# KiCad board reform2-motherboard25.kicad_pcb (continued)
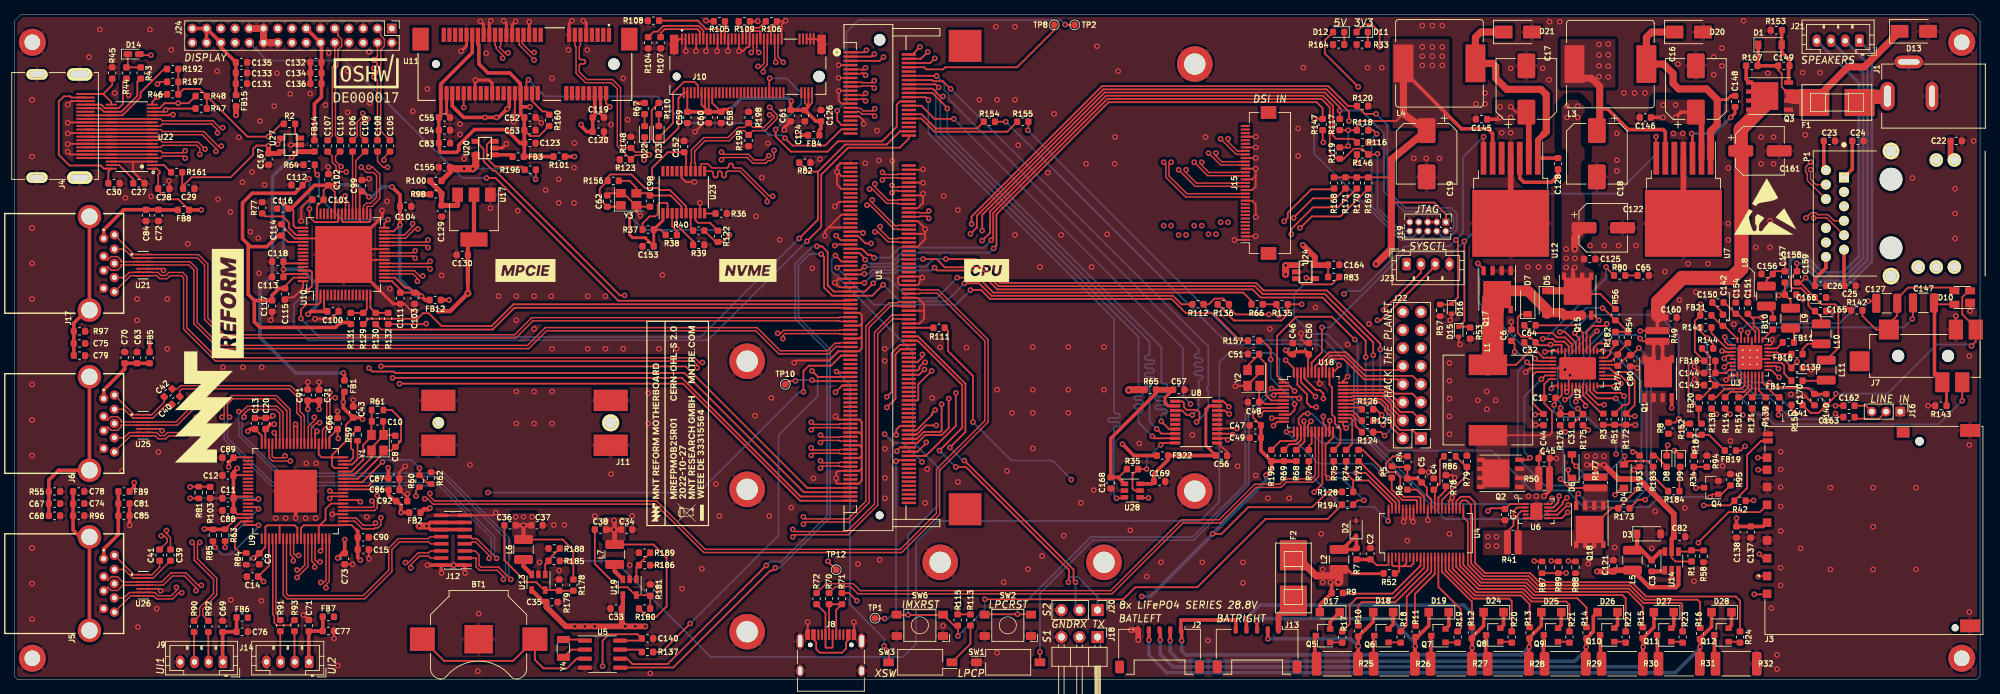
[diagram p0: board, top side]
## Nets (continued)
Net-(Q7-Pad1): Q7.1 R19.1
Net-(Q7-Pad3): Q7.3 R27.2
Net-(Q8-Pad1): Q8.1 R20.1
Net-(Q8-Pad3): Q8.3 R28.2
Net-(Q9-Pad1): Q9.1 R21.1
Net-(Q9-Pad3): Q9.3 R29.2
Net-(Q10-Pad1): Q10.1 R22.1
Net-(Q10-Pad3): Q10.3 R30.2
Net-(Q11-Pad1): Q11.1 R23.1
Net-(Q11-Pad3): Q11.3 R31.2
Net-(Q12-Pad1): Q12.1 R24.1
Net-(Q12-Pad3): Q12.3 R32.2
Net-(Q15-Pad4): Q15.4 U2.31
Net-(Q17-Pad4): Q17.4 U2.33
Net-(Q18-Pad1): Q18.1 Q18.2 Q18.3 R176.1 R177.2
Net-(Q18-Pad4): Q18.4 U2.21
Net-(R1-Pad1): R1.1 R58.1 U14.4
Net-(R2-Pad1): R2.1 U27.3
Net-(R3-Pad2): R3.2 U2.8
Net-(R4-Pad2): R4.2 U4.35
Net-(R5-Pad2): R5.2 U4.36
Net-(R6-Pad2): R6.2 U4.34
Net-(R8-Pad2): R8.2 U2.25
Net-(R9-Pad2): R9.2 U4.10
Net-(R10-Pad2): R10.2 U4.12
Net-(R11-Pad2): R11.2 U4.14
Net-(R12-Pad2): R12.2 U4.16
Net-(R13-Pad2): R13.2 U4.18
Net-(R14-Pad2): R14.2 U4.20
Net-(R15-Pad2): R15.2 U4.22
Net-(R16-Pad2): R16.2 U4.24
Net-(R17-Pad2): R17.2 U4.11
Net-(R18-Pad2): R18.2 U4.13
Net-(R19-Pad2): R19.2 U4.15
Net-(R20-Pad2): R20.2 U4.17
Net-(R21-Pad2): R21.2 U4.19
Net-(R22-Pad2): R22.2 U4.21
Net-(R23-Pad2): R23.2 U4.23
Net-(R24-Pad2): R24.2 U4.25
Net-(R34-Pad1): R34.1 R94.2 U2.9
Net-(R35-Pad2): R35.2 U8.10 U28.5
Net-(R36-Pad2): R36.2 U23.10
Net-(R37-Pad2): R37.2 U23.2
Net-(R38-Pad2): R38.2 U23.3
Net-(R39-Pad2): R39.2 U23.4
Net-(R40-Pad2): R40.2 U23.7
Net-(R51-Pad2): R51.2 U2.14
Net-(R52-Pad1): R52.1 U4.2 U4.4 U4.6 U4.8
Net-(R59-Pad1): R59.1 U9.78
Net-(R59-Pad2): R59.2 U9.79
Net-(R60-Pad2): R60.2 R62.1 U9.73
Net-(R63-Pad2): R63.2 U9.35
Net-(R64-Pad2): R64.2 U10.32
Net-(R77-Pad2): R77.2 U10.51
Net-(R78-Pad1): R78.1 U4.30
Net-(R79-Pad1): R79.1 R86.1 U4.29
Net-(R80-Pad2): R80.2 U2.28
Net-(R81-Pad1): R81.1 U9.33
Net-(R83-Pad1): R83.1 U24.3
Net-(R84-Pad1): R84.1 U9.39
Net-(R85-Pad2): R85.2 U9.40
Net-(R111-Pad2): R111.2 U1.118
Net-(R112-Pad2): R112.2 R136.2 U3.18
Net-(R113-Pad1): R113.1 SW3.1
Net-(R114-Pad2): R114.2 U3.12
Net-(R121-Pad2): R121.2 U3.14
Net-(R122-Pad2): R122.2 U23.8
Net-(R129-Pad1): R129.1 R131.1 U10.15
Net-(R130-Pad1): R130.1 R132.1 U10.16
Net-(R135-Pad2): R66.2 R135.2 U3.17
Net-(R137-Pad2): R137.2 U5.7
Net-(R138-Pad1): R138.1 U3.11
Net-(R139-Pad2): R139.2 U3.15
Net-(R141-Pad2): R141.2 U3.2
Net-(R150-Pad2): R150.2 U3.16
Net-(R151-Pad2): R151.2 U3.13
Net-(R154-Pad2): R154.2 U1.30
Net-(R155-Pad1): R155.1 U1.32
Net-(R160-Pad2): R160.2 U11.20
Net-(R161-Pad2): R161.2 U22.2
Net-(R174-Pad1): R54.1 R174.1 U2.18
Net-(R182-Pad1): R182.1 U2.19
Net-(R182-Pad2): R54.2 R56.2 R182.2 U2.26
Net-(R185-Pad2): R185.2 R188.1 U13.1
Net-(R186-Pad2): R186.2 R189.1 U19.1
Net-(R193-Pad2): R193.2 U2.11
Net-(R196-Pad1): R196.1 U20.3
Net-(TP1-Pad1): TP1.1 U1.180
Net-(TP2-Pad1): TP2.1 U1.35
Net-(TP8-Pad1): TP8.1 U1.8
Net-(TP10-Pad1): TP10.1 U1.143
Net-(TP12-Pad1): TP12.1 U1.174
Net-(U5-Pad1): U5.1 Y4.1
Net-(U5-Pad2): U5.2 Y4.2
Net-(U6-Pad4): U6.4
Net-(U6-Pad6): R88.2 U6.6
Net-(U6-Pad7): R89.1 U6.7
Net-(U6-Pad8): R87.1 U6.8

Pads without a net: J2 MP; J3 11; J4 14; J7 5; J8 A4 A5 A8 A9 B4 B5 B8 B9; J10 5 6 7 8 17 19 20 22 24 26 28 29 30 31 32 34 36 38 46 48 54 56 58 67 68 69; J11 5 6; J13 MP; J15 3 4 5 6 7 8 9 10 11 28 29 31 32 33 MP; J19 7; J24 1 15 16 24 25 30; U1 10 28 33 34 36 39 42 43 45 49 51 55 57 61 63 67 69 82 84 85 86 88 90 92 96 120 130 132 133 135 136 137 142 144 146 147 148 149 150 151 153 154 155 156 157 158 159 160 162 182 184 186 187 188 189 190 192 194 196 198 200 SH1 SH2; U2 15; U3 5 7 30; U4 3 5 7 9 28; U7 5; U8 4 5 6 15 16 17; U9 22 23 24 25 27 28 29 30 31 34 36 41; U10 4 5 6 7 8 9 10 11 12 13 14 44 45 46 47 50 54 55 56 57 58 60; U11 1 3 5 7 8 10 12 14 16 17 19 30 32 36 38 42 45 46 47 49 51 53 54; U12 5; U23 17 18 19 20

## Via types
v1: diameter 0.8, hole 0.4, Top to Bottom, 1079 vias

## Routing (per net, layer and track width the routed paths; a pad name or vN(x,y) marks a point on that pad's centre or on a via; arc(x,y) is an arc through that point)
1V2_PWR_EN: length 151.7
  Top w0.25: v1(77.78,16.7) R185.1 ; v1(179.77,40.57) 179.09,41.25 U18.2
  Bottom w0.25: v1(179.77,40.57) 177.62,42.71 177.62,45.03 176.75,45.9 170.45,45.9 169.2,44.65 169.2,25 166.5,22.3 129.6,22.3 126.6,19.3 126.6,5 124.8,3.2 97.8,3.2 84.3,16.7 v1(77.78,16.7)
3V3_PWR_AUX: length 71
  Top w0.5: v1(38.95,73.4) 39.75,74.2 U27.1 ; v1(46.2,43.1) 46.37,42.93 FB1.1
  Top w0.7: R98.2 v1(56.2,68.2) ; U27.1 42.14,74.2 FB14.1
  Power.Cu w0.7: v1(57.2,68.2) v1(56.2,68.2) 56.2,71.7 53.6,74.3 39.85,74.3 v1(38.95,73.4)
  Bottom w0.5: v1(46.2,43.1) 39.5,43.1 34.5,48.1 34.5,55 36.25,56.75 36.25,70.7 v1(38.95,73.4)
3V3_PWR_EN: length 73.3
  Top w0.25: 200.2,52.72 201.7,52.72 D16.1 202.7,53.72 202.7,61.5 v1(202.4,61.8) ; v1(206.3,76.3) 206.29,76.29 U12.7 ; v1(178.5,44.9) 179.65,43.75 U18.48
  Signal.Cu w0.25: v1(186.7,54.2) 176.8,54.2 174.3,51.7 174.3,49.1 v1(178.5,44.9)
  Bottom w0.25: v1(186.7,54.2) 187.1,54.6 189,54.6 195.3,60.9 201.5,60.9 v1(202.4,61.8) 203.4,62.8 203.4,73.4 v1(206.3,76.3)
5V_PWR_EN: length 83.4
  Top w0.25: v1(230.5,76.3) 230.5,73.31 U7.7 ; R53.2 204.29,49.6 D15.1 203.6,50.4 v1(203.6,61.6) ; v1(183.6,49.5) 183.6,46 182.15,44.55 U18.43
  Bottom w0.25: v1(230.5,76.3) 230.5,73.8 225,68.3 210.3,68.3 v1(203.6,61.6) 202.1,60.1 195.3,60.1 184.7,49.5 v1(183.6,49.5)
30V_GATE: length 75.9
  Top w0.25: v1(221,35.1) 220.91,35.1 R175.1 ; C17.1 210.85,79.75 v1(210.1,80.5) ; Q15.5 219.9,54.19 222.7,54.19 R56.1 ; U14.5 232.7,17.15 233.24,16.61 R1.2
  Top w0.5: Q15.5 220.13,55.22 Q15.6 ; Q15.5 218.87,55.22 Q15.7 218.87,57.69 v1(219.1,57.93) ; Q15.5 221.4,56.5 Q15.5 ; Q15.5 217.6,56.5 Q15.8 ; R177.1 v1(222,30.2) ; v1(222,30.2) v1(220.8,30.2) ; v1(222,30.2) v1(223.2,30.2) ; C146.2 v1(231.5,79) ; v1(233.25,79) 234,79.75 C16.1 ; C145.2 208.35,78.75 v1(208.6,79)
  Top w0.6: U14.5 232.7,19.79 C82.2
  Top w0.8: C82.2 233.01,23.29 228.1,28.2 225.2,28.2 v1(223.2,30.2) ; 236.89,78.96 U7.2 ; U12.2 212.64,79.41
  Top w0.9: 212.64,79.41 C17.1
  Top w1: v1(219.1,60.5) 219.1,62.2 C122.1 ; C16.1 236.89,78.96 ; 215.2,54.65 219.44,54.65 Q15.5
  vias: v1(208.6,80.5) v1(210.1,79) v1(217.9,60.5) v1(217.9,59.2) v1(217.9,57.93) v1(218,80.6) v1(218,79) v1(219.1,59.2) v1(219.5,80.6) v1(219.5,79) v1(220.8,31.4) v1(222,31.4) v1(223.2,31.4) v1(231.5,80.75) v1(233.25,80.75)
+1V2: length 68.4
  Top w0.25: R178.1 78.5,18.2 77,19.7 L6.2
  Top w0.5: v1(61.05,53.35) FB12.1
  Top w0.6: FB2.1 57.49,23.95 58.18,23.95 v1(58.36,24.13) ; v1(71.5,21.7) L6.2 ; v1(71.5,21.7) C36.1 ; v1(71.5,21.7) C37.1
  Power.Cu w0.6: v1(61.05,53.35) 61.05,53.05 62.3,51.8
  Power.Cu w1: 71.5,24.3 71.5,28.7 64.7,35.5 64.7,49.4 62.3,51.8 ; 71.5,24.3 70.9,24.9 59.13,24.9 v1(58.36,24.13) ; 71.5,24.3 v1(71.5,21.7)
  vias: v1(70.4,22.9) v1(71.5,22.9) v1(72.7,22.9)
+1V5: length 124.7
  Top w0.25: R180.1 88.91,8.8 90.1,8.8 91.6,10.3 91.6,17.15 89.75,19 L7.2
  Top w0.5: U11.48 61.5,80.6 63.1,79 v1(66.1,79) v1(67.7,79) 68,79 v1(69.2,80.2) 69.5,80.5 U11.28 ; U11.6 81.5,79.29 C119.1 C120.1 80.4,77 79.6,77.8 v1(79.6,78)
  Top w0.6: v1(84.2,21.1) C38.1 ; v1(84.2,21.1) 84.3,21 L7.2 84.3,22.1 84.2,22.2 ; v1(84.2,21.1) C34.1
  Power.Cu w0.5: v1(69.2,80.2) 69.77,80.2 70.47,79.5 78.1,79.5 v1(79.6,78)
  Power.Cu w1: v1(67.7,79) 67.1,78.4 66.7,78.4 ; 66.7,78.4 v1(66.1,79) ; 66.7,78.4 66.7,74 78,62.7 78,28.6 v1(84.2,22.4)
  vias: v1(83.1,22.4) v1(85.3,22.4)
+1V8: length 243.6
  Top w0.25: U10.42 45.5,64.45 45.35,64.3 42.16,64.3 41.45,65.01 v1(41.45,66.15) ; C112.1 41.39,70.4 v1(41.4,70.4) ; U10.53 38.41,61.5 C114.1 ; R132.2 57.76,49.96 v1(57.84,50.04) ; U10.63 39.21,56.5 38,55.29
  Top w0.5: C115.1 37.19,54.99 36.2,54 C117.1 33.71,53.29 ; 32.85,61.15 33.15,60.85 35.46,60.85 37.03,62.41 C114.1 ; 32.85,61.15 32.85,54.15 33.71,53.29 ; 32.85,61.15 32.05,61.95 32.05,67 33.4,68.35 39.4,68.35 40.49,69.44 C112.1 ; 63.69,55.89 v1(63.69,54.29) ; 33.71,53.29 33.71,50.29 34.5,49.5 45.1,49.5 v1(45.8,50.2) 47.01,50.2 R131.2
  Top w0.6: U17.2 U17.2 63.69,60.99 C130.1 63.69,55.89 ; v1(63.69,54.29) 61.2,51.8 v1(59.6,51.8)
  Top w1: R65.2 156.55,40.75 v1(156.45,40.65)
  Power.Cu w0.6: v1(45.8,50.2) 57.67,50.2 v1(57.84,50.04) v1(59.6,51.8)
  Power.Cu w1: v1(63.69,54.29) 66.7,51.28 66.7,36.45 79.3,23.85 79.3,19.5 84.4,14.4 92.3,14.4 96.6,18.7 123.75,18.7 127.55,22.5 137.85,22.5 156,40.65 v1(156.45,40.65)
  Bottom w0.25: v1(41.45,66.15) 41.45,70.35 v1(41.4,70.4)
+3V3: length 633.3
  Top w0.25: J19.1 201,65.4 199.35,67.05 193.35,67.05 ; R168.1 R169.2 193.29,70.59 193.35,70.65 ; v1(191.7,88.9) 191.7,91 190.6,92.1 189.56,92.1 D11.2 ; v1(187.3,75) 187.09,74.79 R119.1 ; R117.1 187.29,77.21 v1(187.3,77.2) R118.1 188.51,78.01 189,78.5 194.05,78.5 195.05,79.5 ; v1(73.2,70.3) 73.24,70.34 R196.2 ; R2.2 37.5,78.1 v1(35.7,76.3) 32.74,76.3 R48.2 ; R136.1 171.24,50.47 177.9,50.47 178.79,51.36 R135.1 v1(180.75,52.75) ; R113.2 R115.1 132.45,10.45 v1(132.6,10.6) ; v1(35.7,75.05) 34,75.05 33.55,74.6 33.55,73.75 30.4,70.6 24.9,70.6 23.71,69.41 C29.1 23.59,69.12 R161.1 ; R48.2 26.04,83 23.79,83 R46.2 R197.2 R192.1 ; R48.2 R47.2 ; R187.1 236.5,36.39 FB20.1 235.07,39.54 235.07,44.25 235.63,44.8 FB18.1 235.95,46.11 235.95,50.44 FB21.1
  Top w0.5: L4.2 195.05,85.55 203.2,77.4 206.9,77.4 207.56,76.74 U12.6 ; FB21.1 236.75,51.24 v1(236.75,52.75) ; FB22.1 157.2,31.5 v1(155.6,33.1) ; FB4.1 v1(110.1,76.5)
  Top w0.7: C155.1 61.19,71.3 R100.2 ; v1(35.7,75.05) C167.1 37.24,73.94 U27.5 37.45,74.15
  Top w0.8: P1.14 271.86,73.55 C22.1
  Top w1: L4.2 195.05,79.5 C19.1 193.35,73.1 193.35,60.55 v1(191.2,58.4) ; U20.5 64.8,72.2 v1(64.4,71.8) v1(63.15,71.8) 61.39,71.8 C155.1
  Power.Cu w0.5: v1(110.1,76.5) 114.7,81.1 114.7,91 113.8,91.9 ; P1.16 269.85,55.75 263.3,49.2 249.8,49.2 246,53 237,53 v1(236.75,52.75)
  Power.Cu w1: v1(64.4,71.8) v1(63.15,71.8) 61.6,71.8 ; v1(200.5,88.9) 202.7,91.1 242.9,91.1 256.3,77.7 268.8,77.7 272.39,74.11 P1.14 272.4,73.01 272.4,70.8 269.75,68.15 269.75,58.08 P1.16 ; v1(132.6,10.6) 133.1,10.6 v1(155.6,33.1) 175.25,52.75 v1(180.75,52.75) 183.85,55.85 185.35,55.85 187.2,57.7 190.5,57.7 191.25,58.45 ; v1(35.7,75.05) v1(35.7,76.3) 35.75,76.35 51.65,76.35 53.5,78.2
  Power.Cu w1.5: 53.4,77.5 54.4,77.5 60.1,71.8 61.6,71.8
  Power.Cu w2: v1(200.5,88.9) v1(191.7,88.9) 176.7,88.9 169.9,82.1 153.3,82.1 145.6,89.8 131.9,89.8 129.5,92.2 114.1,92.2 113.8,91.9 112.4,91.9 110.7,90.2 58.1,90.2 53.2,85.3 53.2,78 53.4,77.8
  Bottom w0.25: v1(64.4,71.8) 71.7,71.8 v1(73.2,70.3) ; v1(187.3,77.2) v1(187.3,75)
  vias: v1(197.7,88.9) v1(197.7,87.6) v1(197.7,86.3) v1(199.1,88.9) v1(199.1,87.6) v1(199.1,86.3) v1(200.5,87.6) v1(200.5,86.3)
+5V: length 345.2
  Top w0.25: U1.4 127.3,87.25 v1(128.25,88.2) ; v1(122.05,87.5) 121.5,86.95 U1.5 ; v1(127.15,88.9) 126.1,87.85 U1.2 126.43,87.85 ; U1.3 120.4,87.55 v1(120.75,87.9) ; U1.1 119.35,88.15 v1(119.65,88.45) ; R83.2 C164.1 ; v1(188.7,83.3) 184,88 184,89.84 D12.2 ; v1(129.25,87.3) 128.6,86.65 U1.6
  Top w0.5: U7.6 231.81,76.99 231.5,77.3 226.6,77.3 223.7,80.2 222.6,80.2
  Top w0.6: U13.4 74.35,10.9 C35.1 ; U19.4 85.45,10.16 C33.1
  Top w0.8: v1(180.9,61.1) 182.6,59.4 U24.5 184.41,58.25 C164.1 ; C35.1 74.71,10.24 77.45,7.5 v1(78.7,7.5) v1(80.1,7.5) v1(81.5,7.5) v1(85.8,7.5) ; v1(85.8,7.5) v1(87.2,7.5) v1(88.6,7.5) ; v1(85.8,7.5) 85.29,8.01 C33.1
  Top w1: C18.1 222.6,77.55 222.6,83.35 221.45,84.5 219.05,84.5
  Power.Cu w1: v1(78.7,7.5) v1(85.8,7.5) v1(88.6,7.5) 91.8,7.5 98.94,14.64 122.49,14.64 128.15,20.3 138.43,20.3 174.7,56.57 174.7,59.5 175.7,60.5 180.3,60.5 v1(180.9,61.1) ; v1(119.65,88.45) 120.2,87.9 v1(120.75,87.9) 121.15,87.5 v1(122.05,87.5) 123.45,88.9 v1(127.15,88.9) 127.85,88.2 v1(128.25,88.2) 129.15,87.3 v1(129.25,87.3)
  Power.Cu w1.5: 177,78.7 177,72.2 182.32,66.88 182.32,62.52 v1(180.9,61.1)
  Power.Cu w2: v1(128.25,88.2) 129.85,86.6 144.27,86.6 152.17,78.7 177.1,78.7 181.7,83.3 v1(188.7,83.3) 203.1,83.3 207.55,87.75 v1(222.5,87.75)
  vias: v1(222.5,89.25) v1(222.5,86.25) v1(222.5,84.75) v1(223.8,89.3) v1(223.8,87.8) v1(223.8,86.2) v1(223.8,84.7)
/Reform 2 Power/24V_IN: length 4
  Top w2: J1.1 262.9,81.9 259.09,81.9
/Reform 2 Power/VIN: length 125.5
  Top w0.25: Q3.8 243.86,80.09 245.76,82 Q3.5 ; R49.2 228.35,49.05 v1(228.3,49) ; Q3.7 245.12,81.37 Q3.5 ; Q3.5 245.76,82 243.86,83.91 Q3.5 ; Q3.5 245.12,82.63 Q3.6 ; v1(213.55,37.25) 213.64,37.34 C44.2 213.2,38.84 213.2,42.8 213.65,43.25 U2.36 ; R34.2 v1(235.8,32.5) ; U2.7 219.75,39.6 220.6,38.75 v1(220.6,38.5)
  Top w0.5: R167.1 243.16,84.4 Q3.5 ; R49.2 230.7,51.1 230.8,51.2 231.1,50.9 C160.1
  Top w2: Q3.5 245.76,80.7 242.4,77.34 C161.1 242.5,74.2 242.5,57.8 241.15,56.45 234.15,56.45 230.8,53.1 230.8,51.2
  Signal.Cu w0.25: v1(220.6,38.5) 220.6,39.35 221,39.75 223.4,39.75 224.55,38.6 228.8,38.6 229.8,37.6 229.8,34.25 232.7,31.35 234.65,31.35 v1(235.8,32.5)
  Power.Cu w0.25: v1(213.55,37.25) 219.8,37.25 220.6,38.05 v1(220.6,38.5) ; v1(235.8,32.5) 235.4,32.5 231.4,36.5 231.4,47.95 230.35,49 v1(228.3,49)
GND: length 524.2
  Top w0.25: U1.59 115.85,67.15 v1(115.2,66.5) ; U22.5 U22.34 J4.2 7.9,73.8 v1(7.5,74.2) ; v1(216.5,31.1) C45.1 215.55,31.06 R50.1 ; U1.53 116.15,68.95 115.51,69.59 v1(115.51,71.39) ; 16.7,72.8 16.7,71.34 C27.1 ; 16.7,72.8 U22.3 ; 16.7,72.8 U22.36 ; U1.110 127.75,51.85 ; 127.75,51.85 127.75,50.7 127.1,50.05 U1.116 ; 127.75,51.85 127.75,52.75 126.85,53.65 U1.104 ; J10.S1 93.43,90.03 J10.1 ; U1.68 126.85,64.45 127.9,63.4 v1(127.9,63.3) 127.9,62.7 ; J15.12 173.8,67.3 174.3,66.8 v1(174.3,65) ; C165.2 255.2,51.8 v1(255.3,51.7) ; R193.1 227.81,29.91 v1(227.4,29.5) ; C71.2 40.64,9.1 v1(40.6,9.1) ; 119,29.7 119,31.5 ; 119,29.7 119,28 118.55,27.55 U1.191 115.55,27.55 115.4,27.7 v1(115.4,28.3) 115.4,29.1 115.65,29.35 U1.185 118.65,29.35 119,29.7 ; 119,31.5 118.65,31.15 U1.179 ; 119,31.5 119,32.6 ; v1(20.55,12.5) 20.27,12.78 U26.10 U26.5 ; J10.45 104.75,91.05 104.65,91.15 103.36,91.15 103.25,91.04 J10.39 103.25,89.25 103.23,89.23 103.23,88.99 103.16,88.92 102.92,88.92 102.32,88.32 101.82,88.32 101.75,88.25 J10.33 ; U1.74 127.85,62.65 127.9,62.7 ; 174.3,71 174.3,69.3 173.8,68.8 J15.15 ; C56.2 170.29,31.98 168.99,33.28 U8.11 ; v1(97.1,88.3) 97.25,88.45 J10.15 ; v1(210.2,50.3) C6.1 ; C62.2 83.56,68.35 Y3.4 85.55,68.35 87.25,66.65 Y3.2 ; v1(94.3,88.3) 94.25,88.35 J10.3 ; C143.2 236.7,41.4 v1(235.9,42.2) ; U11.26 70.3,78.6 v1(70.1,78.4) ; v1(95.7,88.3) 95.75,88.35 J10.9 ; C44.1 213.64,35.76 v1(213.6,35.8) ; U25.5 U25.10 20.5,35.25 v1(20.75,35) ; 127.9,62.7 127.9,61.9 126.85,60.85 U1.80 ; 217.75,44.95 U2.29 ; U1.111 118.65,51.55 119,51.2 119,50.1 ; v1(21.7,70.1) 21.79,70.01 C28.1 ; U4.33 v1(198.45,22.4) ; J15.27 v1(174.3,74.8) ; U1.71 114.35,63.55 ; 114.35,63.55 113.8,63 v1(113.8,62.4) ; 114.35,63.55 116.15,65.35 U1.65 ; J10.71 J10.73 J10.75 112.57,90.03 J10.S2 ; v1(268.7,38.5) R143.2 ; J4.17 8,81.3 v1(7.5,80.8) ; C102.2 v1(44.1,72.05) ; U1.50 127.55,69.85 v1(127.6,69.8) ; v1(40.3,64.45) 40.3,66.33 41.42,67.45 C101.2 ; U10.64 40.55,55.05 39.21,53.71 38,53.71 ; v1(96.25,67) 96.28,66.97 U23.9 ; 119,34.2 119,32.6 ; 119,34.2 119,34.4 118.65,34.75 U1.167 ; 119,34.2 119,36.2 118.65,36.55 U1.161 115.75,36.55 v1(115.3,37) ; 119,32.6 118.65,32.95 U1.173 ; C111.2 54.79,52.81 v1(56.05,51.55) ; v1(98.7,88.3) 98.75,88.35 J10.21 ; U10.65 47,60.5 U10.26 ; U10.65 44,62 U10.52 39.38,62 37.96,63.42 37.96,63.53 C114.2 ; U10.65 46.25,59.35 42.5,55.6 U10.1 ; U10.65 47,59 U10.23 ; v1(201.6,50.5) 201.8,50.7 D16.2 ; 119,48.3 119,46.59 118.56,46.15 U1.129 115.71,46.15 114.41,44.85 109.8,44.85 v1(109.5,44.55) ; 119,48.3 119,50.1 ; 119,48.3 118.65,47.95 U1.123 ; v1(127.6,71.7) 127.55,71.65 U1.44 ; v1(87.9,65.2) 87.35,65.75 Y3.2 ; v1(47.6,39.3) 47.6,38.39 C43.2 ; v1(36.3,37.1) 35.97,36.78 C20.2 C13.2 ; U22.11 U22.28 13.62,76.78 13.6,76.8 J4.8 7.55,76.8 v1(7.5,76.75) ; v1(44.65,23.25) U9.64 ; Y3.2 87.54,66.46 C98.2 ; J10.51 106.25,91.66 R106.2 108.2,92.5 v1(108.3,92.6) 107.75,92.05 J10.57 ; v1(251.1,53.5) 250.5,54.1 C158.2 ; U1.99 115.85,55.15 v1(115.2,55.8) 115.75,56.35 U1.95 ; v1(115.51,71.39) 116.15,70.75 U1.47 ; v1(115.51,71.39) 115.51,72.11 115.95,72.55 U1.41 ; v1(44.9,5.8) 44.89,5.81 C77.2 ; v1(45.4,37.7) C66.2 ; v1(235.9,44) 236.8,43.1 C144.1 ; v1(55.2,26.1) 55.28,26.03 55.28,25.1 55.28,25.5 C86.2 54.08,26.7 C87.2 54.08,29.17 v1(54.9,30) ; U6.5 213.7,23.5 212.9,22.7 U6.5 ; v1(202.25,28.4) 201.91,28.74 R78.2 ; U22.8 U22.31 J4.5 7.55,75.3 v1(7.5,75.25) ; U1.25 116.15,80.95 115.75,81.35 v1(115.75,82.75) U1.19 ; v1(246.8,47.8) 246.8,47.2 246.65,47.05 U3.24 ; U22.14 U22.25 J4.11 7.55,78.3 v1(7.5,78.25) ; U4.38 195.95,22.65 v1(196.4,22.2) 196.45,22.25 U4.37 ; C73.2 47.47,16.22 v1(47.5,16.2) ; C80.1 227.64,44.01 v1(227.85,43.8) ; v1(203,47.1) 202.8,47.3 D15.2 ; C117.2 36.2,50.7 v1(36,50.5) ; R105.2 97.2,92.5 v1(97.1,92.6) ; J15.30 v1(174.3,76.3) ; U4.39 195.45,22.65 195.05,22.25 v1(195.05,22.2) 194.95,22.3 U4.40 ; R3.1 R51.1 R172.2 227.59,35.81 v1(227.6,35.8) ; Y2.2 174.85,43.1 173.15,41.4 Y2.4 171.5,41.3 v1(171.45,41.25) ; U3.9 241.06,42.86 v1(240.35,42.15) ; C142.2 239.9,51.51 C150.2 ; J10.27 100.25,88.35 v1(100.2,88.3) ; v1(49.8,70.4) 49.59,70.19 C99.2 ; 104.3,92.6 104.2,92.5 R109.2 ; C60.2 96.81,78.21 v1(95.6,77) ; U2.3 217.75,40.65 v1(217.97,40.42) 218.25,40.7 U2.4 218.25,42.5 U2.39 U2.35 212.75,43.75 v1(212.2,43.2) ; v1(119.25,78.1) 119.25,78.55 118.65,79.15 U1.31 ; U1.13 v1(115.75,84.55) ; U1.56 127.35,68.05 v1(127.6,68.3) 127.6,67 126.85,66.25 U1.62 ; R142.2 257.61,52.2 v1(257,52.2) ; v1(20.95,57.5) 20.7,57.75 U21.10 U21.5 ; U3.20 243.95,45.05 U3.33 243.95,45.55 U3.28 ; U4.27 201.45,25.15 v1(201.9,25.6) 201.95,25.55 U4.26 ; 117.9,6.14 v1(117.9,8.1) ; v1(274.6,51.8) D10.1 ; v1(180.38,39.53) 180.15,39.75 U18.5 ; U18.41 183.15,41.75 v1(183.3,41.6) ; C91.2 v1(41.2,41.8) ; v1(272.6,51.1) J7.4 ; v1(74,78.25) 73.25,79 C52.2 ; 119,50.1 118.65,49.75 U1.117 ; J15.1 v1(171.3,61.8) ; v1(198.55,29.15) 198.41,29.29 C5.2 ; v1(67.6,23.5) 67.2,23.1 J12.15 J12.16 ; U23.16 93.68,70.56 94.31,69.92 v1(95.5,69.92) ; v1(180.68,48.67) 180.68,47.88 181.28,47.29 C50.2 ; 254.35,53.7 C166.2 ; v1(42.22,50.72) 44.51,50.72 C100.2 ; v1(251.15,39.85) 251.46,39.85 C170.2 ; J19.3 J19.5 ; 111.4,6.14 v1(111.4,8.1) ; J15.21 v1(174.3,71.8) 174.3,70.8 173.8,70.3 J15.18 ; v1(49.8,17) 49.78,17.03 C15.2 ; C21.2 v1(42.8,41.8) ; J15.24 v1(174.3,73.3) ; J15.2 v1(174.3,62.3) ; U1.7 v1(115.75,86.35) ; 124.35,56.65 124.1,56.4 124.1,55.7 124.35,55.45 U1.98 126.85,55.45 127.1,55.7 127.1,56.1 v1(127.5,56.5) 127.35,56.65 U1.94 124.35,56.65
  Top w0.4: v1(51.65,65.93) 51.65,65.05 46.35,59.75 U10.65 53.19,52.81 C111.2 ; U11.37 65.9,92.05 v1(65.45,92.5) ; U11.34 67.1,83.8 66.65,84.25 v1(64.75,84.25) 64.7,84.2 U11.40 ; v1(78.3,92.6) 77.9,92.2 U11.15 ; C120.2 v1(82.79,75.89) ; v1(66.9,92.6) 66.7,92.4 U11.35 ; C55.2 60.7,79.49 U11.50 ; v1(68.7,92.6) 69.1,92.2 U11.29 ; v1(69.1,75.3) 68.5,74.7 U20.2 ; v1(62.75,88.3) 63.5,89.05 U11.43 ; C119.2 82.3,79.49 U11.4 ; v1(70.4,92.5) 69.9,92 U11.27 ; U11.21 v1(72.3,92.45) ; U11.9 80.3,92.3 80,92.6 v1(79.9,92.6)
  Top w0.5: 108.99,78.46 C61.2 108.12,77.58 v1(108.12,77.25) ; v1(214.8,25.8) 215.55,26.55 R50.1 ; C81.2 C85.2 16.19,21.71 v1(16.2,21.7) ; J12.2 v1(61.7,16.1) J12.1 63.25,15.05 v1(63.3,15) ; J12.2 v1(58,16.1) ; J12.2 59.95,15.05 v1(60,15) ; U9.81 v1(39.5,22.7) ; C132.2 C134.2 C136.2 ; U27.2 v1(38.85,75.15)
  Top w0.6: U14.2 v1(232.7,13.9)
  Top w0.8: U12.4 U12.8 ; v1(157.8,5.6) 157.8,7 156.81,7 v1(156.8,7) ; U7.4 U7.8
  Top w1: J24.18 J24.20 J24.19 J24.21
  vias: v1(2.5,81.5) v1(2.5,73.5) v1(2.5,63.5) v1(2.5,58.5) v1(2.5,53.5) v1(2.5,41.5) v1(2.5,36.5) v1(2.5,31.5) v1(2.5,18.5) v1(2.5,13.5) v1(2.5,8.5) v1(10.5,87.5) v1(12,91.35) v1(14.1,82.45) v1(15.1,29.3) v1(15.6,67.7) v1(16.05,82.1) v1(17.25,53.5) v1(17.25,50.5) v1(17.35,7.4) v1(19.05,91.35) v1(19.2,67.9) v1(20,10) v1(20.25,32) v1(21.5,53.5) v1(21.5,46.5) v1(22.05,88.5) v1(24.35,61.25) v1(28.5,85.5) v1(28.6,67.5) v1(29.3,43.9) v1(30.35,65.7) v1(30.4,11.2) v1(31.55,76.2) v1(31.6,50.1) v1(32.05,69.9) v1(32.1,43.9) v1(33.15,62.95) v1(33.4,71.35) v1(34.25,62.05) v1(34.35,57.1) v1(34.5,78.5) v1(34.75,43.9) v1(34.7,11.1) v1(35.15,69.55) v1(36.5,80.6) v1(36.7,22.7) v1(36.9,85.2) v1(38.1,22.7) v1(38.75,82.3) v1(40.9,22.7) v1(41,30.4) v1(41.55,82.35) v1(42.3,22.7) v1(42.4,30.4) v1(43.7,80.75) v1(44.15,88.05) v1(45.4,2) v1(46.8,85.5) v1(46.8,79.7) v1(49.5,22.9) v1(49.8,88.2) v1(49.9,81) v1(52.35,67.2) v1(52.75,54.95) v1(55.95,79.85) v1(58,83) v1(60,56.8) v1(62.6,78.1) v1(62.6,76.6) v1(63.15,73.2) v1(64,30.2) v1(65.1,1.2) v1(65.2,9.3) v1(66.25,88) v1(66.85,66.25) v1(68,53.9) v1(70.5,53.9) v1(70.5,50.5) v1(70.5,40.5) v1(70.5,36) v1(70.7,65.9) v1(73,53.9) v1(73,49.3) v1(73,40.5) v1(73,36) v1(73.75,16.5) v1(74.6,68.8) v1(75.4,53.9) v1(75.5,84.5) v1(75.5,46.5) v1(75.5,40.5) v1(75.5,36) v1(75.75,21.75) v1(76.45,70.3) v1(76.45,67) v1(76.5,15.35) v1(77.25,21.75) v1(77.8,88.5) v1(78.6,71.95) v1(78.6,67) v1(78.65,75.4) v1(80.45,88.5) v1(80.5,53.9) v1(80.5,46.5) v1(81.5,23) v1(83,53.9) v1(83,46.5) v1(83.8,78) v1(83.8,28.9) v1(85.5,84.5) v1(85.5,46.5) v1(86.1,78.7) v1(86.4,16.1) v1(86.75,23) v1(89,40.25) v1(89,36) v1(89.3,0.9) v1(90.5,46.5) v1(90.5,12.8) v1(91,56.85) v1(93,46.5) v1(93.75,12.8) v1(96.55,15.6) v1(98.5,27.5) v1(99,23) v1(101.75,88.3) v1(104,37.1) v1(104.15,65.1) v1(104.4,92.5) v1(104.95,70.55) v1(105.8,75.35) v1(106,23) v1(106.3,39.6) v1(107.45,61.8) v1(109.1,24.2) v1(112.05,57.8) v1(112.2,28.3) v1(113.1,73.15) v1(118.45,16.25) v1(119.5,72.55) v1(121.15,77.15) v1(121.4,72.95) v1(121.5,16.85) v1(122.2,46.5) v1(122.2,44.8) v1(122.25,32.45) v1(122.25,28.35) v1(122.25,25.5) v1(123.3,72.9) v1(127.9,24.85) v1(128.2,29.6) v1(128.9,39.6) v1(130,46.7) v1(130.4,7.6) v1(130.5,68) v1(132.5,66) v1(132.5,27.8) v1(133.7,46.68) v1(135.5,81.5) v1(137.8,91.75) v1(138,81.5) v1(138,40.75) v1(138,3.8) v1(138.9,13.7) v1(139.39,29.33) v1(140.1,37.5) v1(140.5,91.75) v1(140.5,81.5) v1(140.5,62.5) v1(140.95,75.1) v1(142.35,15.55) v1(143,46.75) v1(143,40.75) v1(143,37.5) v1(143,32.5) v1(144,58) v1(144.3,17.4) v1(145.1,71.25) v1(146,79.5) v1(147,62.5) v1(147.35,20.25) v1(148,46.75) v1(148,40.75) v1(148,37.5) v1(149.75,24.85) v1(150.5,72.5) v1(151.25,58) v1(151.55,26.65) v1(152,89) v1(153,46.75) v1(153,40.75) v1(153.45,62.6) v1(154.5,72.5) v1(154.55,76.25) v1(155,85.5) v1(156.7,21) v1(157.95,33.2) v1(159,14.5) v1(161,16.5) v1(165.4,34.4) v1(166.8,16.5) v1(167.25,76.25) v1(167.6,5.5) v1(171.75,30) v1(172.5,16.5) v1(172.5,13.6) v1(174.3,28.7) v1(176,25.5) v1(176.3,49.3) v1(179,25.5) v1(180.25,77.45) v1(180.25,73.6) v1(181,86) v1(182.7,52.3) v1(183.5,20.5) v1(187.2,47.1) v1(190,86) v1(190.2,50) v1(192,86) v1(195.6,19.55) v1(196.5,73.25) v1(197.7,91.9) v1(198.25,73.25) v1(199.1,91.9) v1(200.1,73.25) v1(200.5,91.9) v1(201.5,44.5) v1(201.5,42) v1(201.5,39.5) v1(201.5,37) v1(201.5,34.5) v1(201.5,20.5) v1(205.2,80.9) v1(205.5,39.25) v1(206.5,82.45) v1(206.5,80.9) v1(206.75,40.5) v1(206.75,38) v1(208,39.25) v1(208.85,76.85) v1(210.1,85.9) v1(210.1,76.85) v1(212.5,58) v1(212.6,25.8) v1(213.7,25.8) v1(214,58) v1(214.6,85.9) v1(215.5,84.3) v1(215.5,58) v1(215.55,92.45) v1(217,92.45) v1(217.72,43.57) v1(218.42,42.77) v1(221,16.3) v1(221.25,61) v1(223.25,61) v1(224.7,18.6) v1(225,76.75) v1(225,73) v1(225,71.5) v1(225.25,61) v1(226,82.45) v1(227.5,82.45) v1(227.7,61) v1(228.95,82.45) v1(229.9,18.45) v1(230.4,23.65) v1(231.75,57.35) v1(232.95,76.75) v1(233.6,86.5) v1(233.8,53.35) v1(234.25,76.75) v1(234.55,24.15) v1(235,58.45) v1(235.85,13.85) v1(236.1,54.45) v1(237.8,58.45) v1(238.6,87.5) v1(238.6,85) v1(239.75,88.75) v1(239.75,86.25) v1(239.85,30.05) v1(240.65,71.9) v1(240.65,64.1) v1(240.65,61.8) v1(240.95,33.55) v1(241.45,49.95) v1(241.7,54.4) v1(242.8,92.6) v1(243.4,54.4) v1(244.5,60.75) v1(245.25,76.25) v1(245.25,72.5) v1(246.2,85.2) v1(246.5,64.5) v1(246.5,60.75) v1(246.7,10.05) v1(247,76.25) v1(247,72.5) v1(247.5,3.5) v1(247.5,1.5) v1(248,32.05) v1(248,29.55) v1(248,27.05) v1(248,24.35) v1(248,20.9) v1(248,15.75) v1(248,13.25) v1(249.45,40.1) v1(250.8,18.45) v1(251.1,85.3) v1(251.45,76.55) v1(252.3,43.55) v1(253.55,85.3) v1(255,27) v1(255,15.5) v1(261,27) v1(261,21.5) v1(261,15.5) v1(266.5,70.5) v1(267,27) v1(267,15.5) v1(272.5,69) v1(272.5,65.5) v1(272.5,62) v1(274.5,45.5) v1(274.5,33) v1(274.5,9.5) v1(275.1,75.7)
/Reform 2 Display/EDAUXN: length 16.3
  Top w0.2: U10.35 49.03,65.47 49.03,66.55 49.42,66.95 50.03,66.95 50.88,67.79 50.88,70.83 50.43,71.27 49.46,71.27 v1(48.72,72) ; C107.2 44.65,73.56 44.65,72.69 45.18,72.16 45.18,71.76 45.55,71.39 45.95,71.39 45.99,71.35 v1(46.63,71.35)
  Signal.Cu w0.2: v1(46.63,71.35) 46.63,71.73 46.63,71.73 46.63,71.78 46.85,72 v1(48.72,72)
/Reform 2 Display/EDAUXP: length 15.8
  Top w0.2: C110.2 45.1,73.56 45.1,72.88 v1(45.88,72.09) ; U10.34 49.5,66.4 49.6,66.5 50.22,66.5 51.33,67.61 51.33,71.02 50.34,72 v1(49.78,72)
  Signal.Cu w0.2: v1(49.78,72) 49.33,72.45 49.31,72.45 49.06,72.7 48.39,72.7 48.14,72.45 46.66,72.45 46.31,72.09 v1(45.88,72.09)
/Reform 2 Display/EDP_BL_VCC: length 15.1
  Top w0.5: J24.27 J24.26 29,88.86 C135.1 C133.1 C131.1 31.11,82.17 FB15.2 ; J24.27 J24.28 ; J24.27 J24.29
/Reform 2 Display/EDP_HPD: length 24.5
  Top w0.25: R64.1 v1(39.55,72.35)
  Signal.Cu w0.25: J24.17 38,92.5 39.48,92.5 40,91.98 40,72.8 v1(39.55,72.35)
/Reform 2 Display/EDP_LCD_VCC: length 17
  Top w0.5: J24.13 J24.12 43.14,89.36 C132.1 C134.1 C136.1 43.14,81.89 42.15,80.9 FB14.2
